# Altium PCB PCB1.PcbDoc (part 1 of 2)
Units mil, origin at the board's own origin, x right, y up, seen from the top; angles counter-clockwise.
Board outline 6184.85 x 2780 mil, 2 copper layers (Top Layer, Bottom Layer); 128 components, 145 nets, 529 pads, 99 vias.
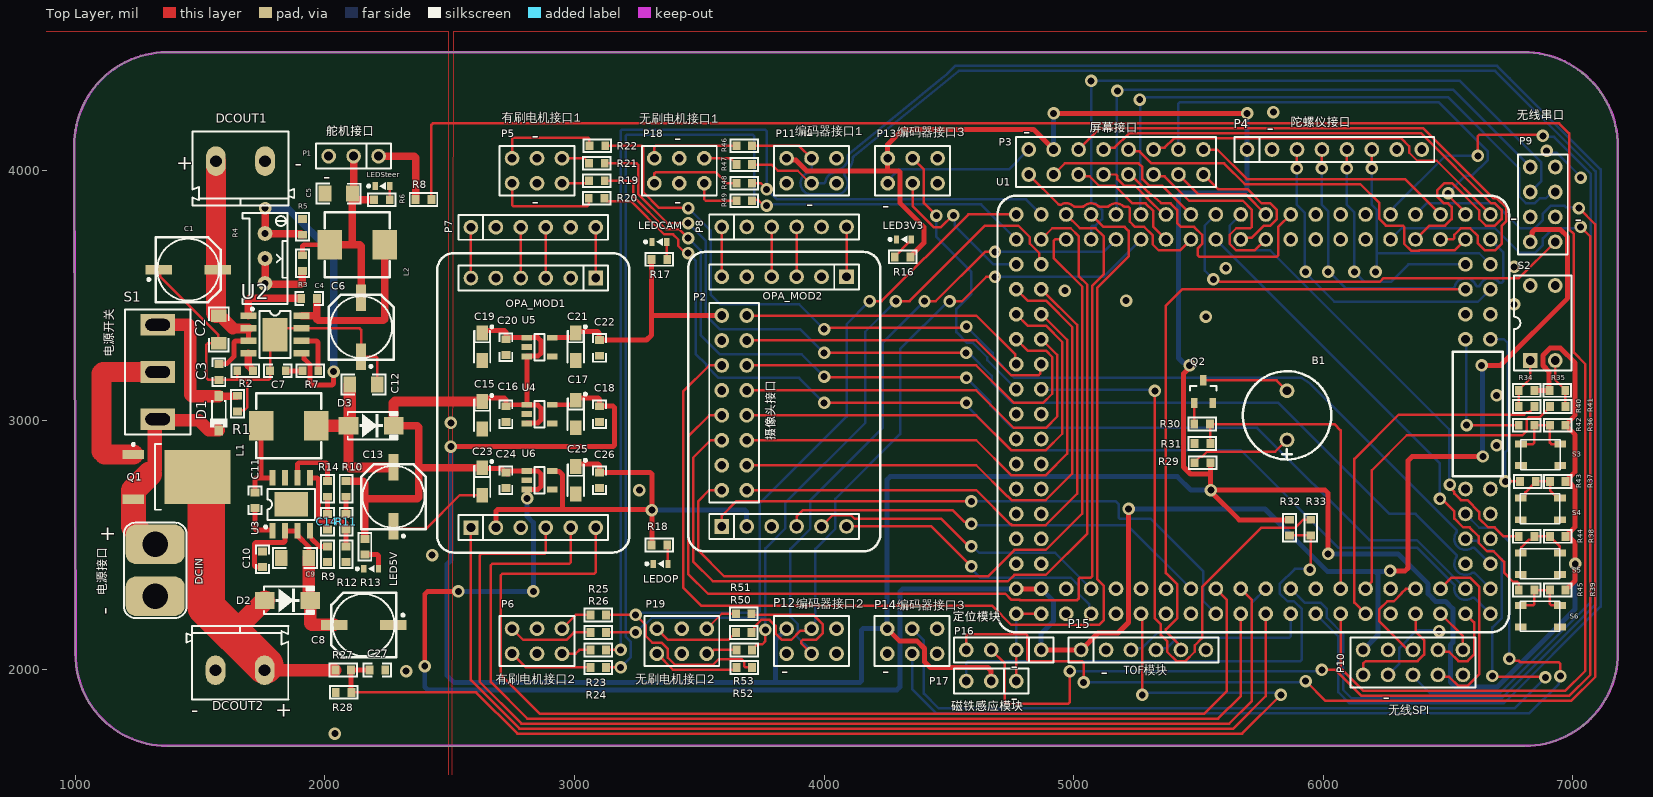
[diagram p0: Top Layer view]
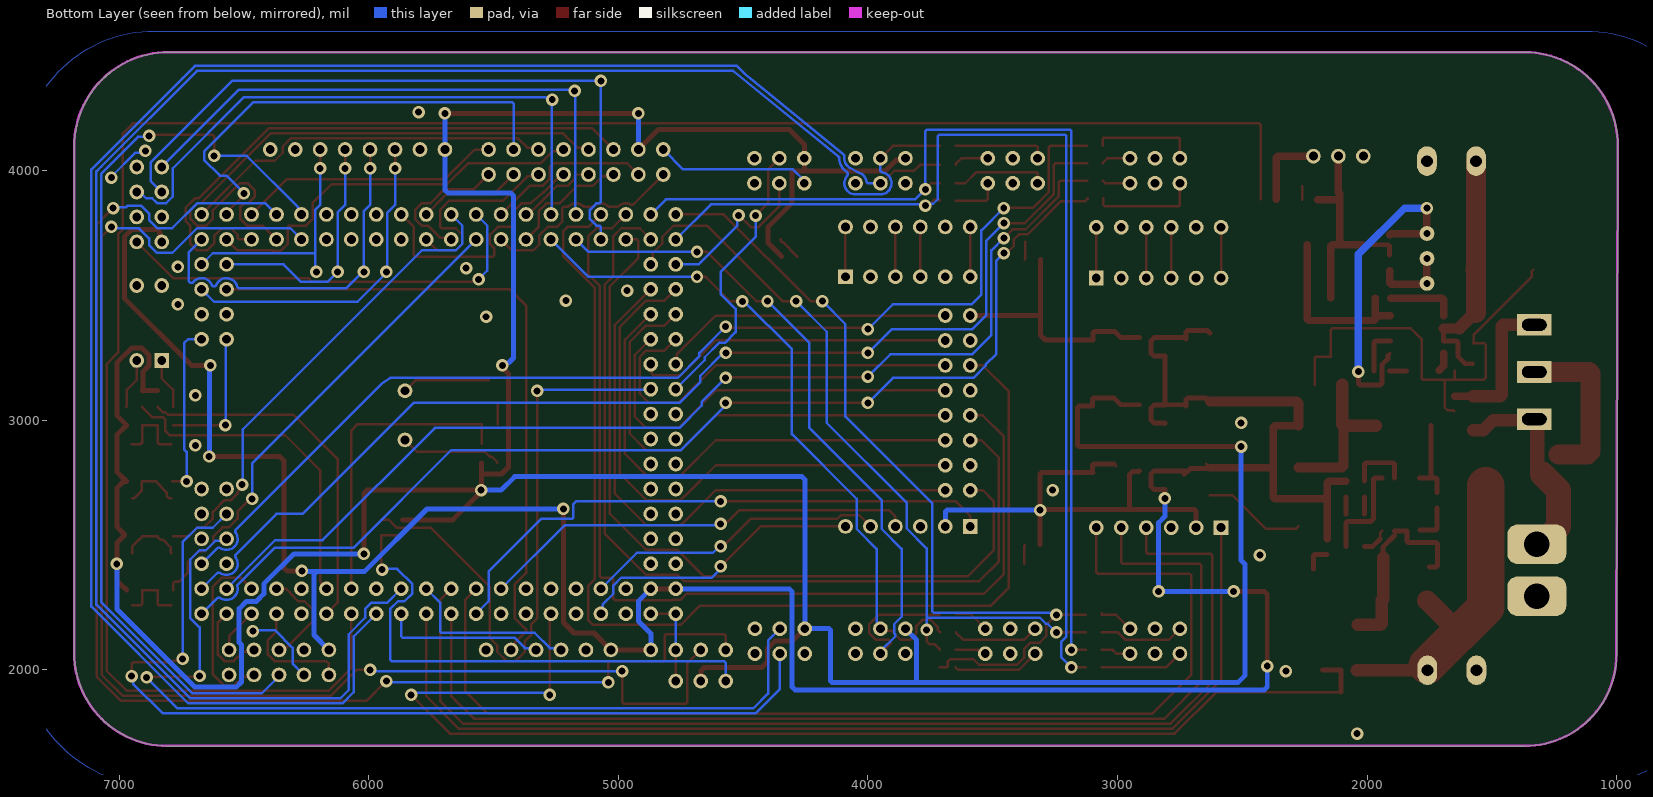
[diagram p1: Bottom Layer view, seen from below]

## Layer stack, top to bottom
Top Solder: solder mask 0.4, Solder Resist, Dk 3.5
Top Layer: signal copper 1.4
Dielectric 1: dielectric 12.6, FR-4, Dk 4.8
Bottom Layer: signal copper 1.4
Bottom Solder: solder mask 0.4, Solder Resist, Dk 3.5

## Board outline
1000,2062.29 995.15,4100.04 cw(c1367.5,4102.54) 1364.99,4474.88 6802.71,4475 cw(c6802.71,4097.71) 7180,4097.71 7180,2067.32 cw(c6807.68,2067.32) 6807.68,1695 6810,1695 1370,1695 1367.29,1695 cw(c1367.29,2062.29)

## Design rules (kind name [scope] priority, off if disabled: settings)
Clearance [All] p1: gap=10 ignorepadtopadclearanceinfootprint=FALSE except(0: Arc-Hole Track-Hole SMDPad-Hole THPad-Hole Via-Hole Fill-Hole Poly-Hole Region-Hole Text-Hole)
PolygonConnect [All] p1: connectstyle=Relief reliefconductorwidth=10 reliefentries=4 polygonreliefangle="90 Angle" airgapwidth=10
RoomDefinition Sheet1 [InComponentClass('Sheet1')] p1: confinementstyle=ConfineIn formatcopy=TRUE lockcomponents=FALSE outline 0,0 2000,0 2000,1000 0,1000
RoutingVias [All] p1: holewidth=28 width=50 viastyle="Through Hole" minholewidth=28 minwidth=50 maxholewidth=28 maxwidth=50
SolderMaskExpansion [All] p1: expansion=4 istentingtop=FALSE
Width [InNetClass('New Class')] p1: maxlimit=20 minlimit=20 preferedwidth=20 minimp=50.000000 maximp=50.000000 favimp=50.000000
30 further rules are at their usual default settings.

## Classes and differential pairs
polygon class PolygonClass_1: GND_L01_P000

## Components (designator, comment, footprint, x,y, rotation, side; value= is the part's Value field where it differs from the comment)
B1 "BEEP" "BEEP 9x5.5mm" 5855,3020 r90 top
C1 "100uF 35V 铝电解" "CAP-E-S 6.3" 1451.89,3603.5 r180 top value=100uF
C2 "4.7uF 35V X5R" CAPC3216[1206]S 1575,3363.62 r90 top value=4.7uF
C3 "100nF 50V X7R" CAPC1608[0603]S-N 1575,3193.5 r90 top value=100nF
C4 "100nF 50V X7R" CAPC1608[0603]S-N 1936.5,3488.5 r0 top value=100nF
C5 "47uF 25V X5R" CAPC3216[1206]S 2054.88,3908.5 r180 top value=47uF
C6 "220uF 25V 铝电解" "CAP-E-S 6.3" 2145,3373.5 r270 top value=220uF
C7 "4.7nF 50V X7R" CAPC1608[0603]S-N 1811.5,3198.5 r0 top value=4.7nF
C8 "100uF 35V 铝电解" "CAP-E-S 6.3" 2155,2180 r0 top value=100uF
C9 "4.7uF 35V X5R" CAPC3216[1206]S 1880.12,2448.5 r0 top value=4.7uF
C10 "100nF 50V X7R" CAPC1608[0603]S-N 1750,2443.5 r90 top value=100nF
C11 "100nF 50V X7R" CAPC1608[0603]S-N 1720,2680 r90 top value=100nF
C12 "47uF 25V X5R" CAPC3216[1206]S 2155,3143.5 r180 top value=47uF
C13 "220uF 25V 铝电解" "CAP-E-S 6.3" 2275,2693.5 r270 top value=220uF
C14 "4.7nF 50V X7R" CAPC1608[0603]S-N 2010,2593.5 r90 top value=4.7nF
C15 "10uF 16V 钽电容" "CAP-T-S 3216" 2630,3020 r270 top value=10uF
C16 "100nF 50V X7R" CAPC1608[0603]S-N 2725,3025 r90 top value=100nF
C17 "10uF 16V 钽电容" "CAP-T-S 3216" 3005,3025 r270 top value=10uF
C18 "100nF 50V X7R" CAPC1608[0603]S-N 3100,3025 r90 top value=100nF
C19 "10uF 16V 钽电容" "CAP-T-S 3216" 2630,3294.88 r270 top value=10uF
C20 "100nF 50V X7R" CAPC1608[0603]S-N 2725,3293.5 r90 top value=100nF
C21 "10uF 16V 钽电容" "CAP-T-S 3216" 3005,3295 r270 top value=10uF
C22 "100nF 50V X7R" CAPC1608[0603]S-N 3100,3290 r90 top value=100nF
C23 "10uF 16V 钽电容" "CAP-T-S 3216" 2630,2755 r270 top value=10uF
C24 "100nF 50V X7R" CAPC1608[0603]S-N 2725,2760 r90 top value=100nF
C25 "10uF 16V 钽电容" "CAP-T-S 3216" 3005,2760 r270 top value=10uF
C26 "100nF 50V X7R" CAPC1608[0603]S-N 3100,2760 r90 top value=100nF
C27 "100nF 50V X7R" CAPC1608[0603]S-N 2210,2000 r0 top value=100nF
D1 "BZT52C16" SOD-123-L 1575,3028.5 r270 top
D2 "SS54" SMA-L[DO-214AC] 1850,2278.5 r0 top
D3 "SS54" SMA-L[DO-214AC] 2185,2978.5 r0 top
DCIN "T型插头" "Wired T-Header ThroughHole" 1320,2399.17 r0 top
DCOUT1 "KF/WJ/DG 30x connecter" "KF/WJ/DG 301-2p-5.0mm" 1661.57,4038.5 r180 top
DCOUT2 "KF/WJ/DG 30x connecter" "KF/WJ/DG 301-2p-5.0mm" 1660,1998.5 r0 top
L1 "4.7uH 5A" "0630 TPC 7*7*3" 1855,2978.5 r0 top value=4.7uH
L2 "4.7uH 5A" "0630 TPC 7*7*3" 2130,3703.5 r180 top value=4.7uH
LED3V3 "翠绿贴片LED" LEDC1608(0603)-L 4320,3725 r0 top
LED5V "翠绿贴片LED" LEDC1608(0603)-L 2185,2405 r0 top
LEDCAM "翠绿贴片LED" LEDC1608(0603)-L 3340,3715 r0 top
LEDOP "翠绿贴片LED" LEDC1608(0603)-L 3345,2425 r0 top
LEDSteer "翠绿贴片LED" LEDC1608(0603)-L 2230.47,3938.5 r0 top
OPA_MOD1 "OPA_MOD" SEEKFREE_4CHANEL_OPAMOD 2835,3070 r0 top
OPA_MOD2 "OPA_MOD" SEEKFREE_4CHANEL_OPAMOD 3840,3075 r0 top
P1 "Header-D-M 1x3P" HDR1X3-M 2215,4058.5 r180 top
P2 "Header-D-F 2x8P" HDR2X8-F 3690,2720 r90 top
P3 "Header-D-F 2x8P" HDR2X8-F 4820,3985 r0 top
P4 "Header-D-M 1x8P" HDR1X8-M 5695,4085 r0 top
P5 "Header-D-M 2x3P" HDR2X3-M 2950,4050 r180 top
P6 "Header-D-M 2x3P" HDR2X3-M 2950,2165 r180 top
P7 "Header-D-M 1x6P" HDR1X6-M 2585,3773.5 r0 top
P8 "Header-D-M 1x6P" HDR1X6-M 3590,3775 r0 top
P9 "Header-D-F 2x4P" HDR2X4-F 6830,4015 r270 top
P10 "Header-D-F 2x5P" HDR2X5-F 6560,2080 r180 top
P11 "Header-D-M 2x3P" HDR2X3-M 4050,4050 r180 top
P12 "Header-D-M 2x3P" HDR2X3-M 4050,2165 r180 top
P13 "Header-D-M 2x3P" HDR2X3-M 4455,4050 r180 top
P14 "Header-D-M 2x3P" HDR2X3-M 4453.03,2165 r180 top
P15 "Header-D-M 1x6P" HDR1X6-M 5030,2080 r0 top
P16 "Header-D-M 1x4P" HDR1X4-M 4870,2080 r180 top
P17 "Header-D-M 1x3P" HDR1X3-M 4770,1955 r180 top
P18 "Header-D-M 2x3P" HDR2X3-M 3320,3950 r0 top
P19 "Header-D-M 2x3P" HDR2X3-M 3330,2065 r0 top
Q1 "HY19P03" TO-252AA 1361.06,2773.5 r0 top
Q2 "S8050" SOT-23 5520,3115 r90 top
R1 "10K ±1%" RESC1608[0603]S-N 1650,3067.01 r90 top value=10K
R2 "200K ±1%" RESC1608[0603]S-N 1680,3198.5 r0 top value=200K
R3 "27K ±1%" RESC1608[0603]S-N 1910,3630 r90 top value=27K
R4 "50K" RESPOT3296W 1760,3648.5 r270 top
R5 "8.2K ±1%" RESC1608[0603]S-N 1910,3775 r90 top value=8.2K
R6 "10K ±1%" RESC1608[0603]S-N 2228.5,3883.5 r180 top value=10K
R7 "20K ±1%" RESC1608[0603]S-N 1941.5,3198.5 r0 top value=20K
R8 "100R ±1%" RESC1608[0603]S-N 2395,3885 r180 top value=100R
R9 "200K ±1%" RESC1608[0603]S-N 2010,2463.5 r90 top value=200K
R10 "51K ±1%" RESC1608[0603]S-N 2085,2725 r90 top value=51K
R11 "1.5K ±1%" RESC1608[0603]S-N 2085,2593.5 r90 top value=1.5K
R12 "10K ±1%" RESC1608[0603]S-N 2085,2463.5 r90 top value=10K
R13 "4.7K ±1%" RESC1608[0603]S-N 2160,2493.5 r90 top value=4.7K
R14 "20K ±1%" RESC1608[0603]S-N 2010,2725 r90 top value=20K
R16 "2.7K ±1%" RESC1608[0603]S-N 4315,3655 r180 top value=2.7K
R17 "2.7K ±1%" RESC1608[0603]S-N 3340,3645 r0 top value=2.7K
R18 "2.7K ±1%" RESC1608[0603]S-N 3340,2500 r0 top value=2.7K
R19 "100R ±1%" RESC1608[0603]S-N 3090,3960 r180 top value=100R
R20 "100R ±1%" RESC1608[0603]S-N 3088.5,3890 r0 top value=100R
R21 "100R ±1%" RESC1608[0603]S-N 3090,4030 r180 top value=100R
R22 "100R ±1%" RESC1608[0603]S-N 3091.5,4100 r0 top value=100R
R23 "100R ±1%" RESC1608[0603]S-N 3095,2080 r180 top value=100R
R24 "100R ±1%" RESC1608[0603]S-N 3095,2010 r0 top value=100R
R25 "100R ±1%" RESC1608[0603]S-N 3095,2220 r180 top value=100R
R26 "100R ±1%" RESC1608[0603]S-N 3095,2150 r0 top value=100R
R27 "200K ±1%" RESC1608[0603]S-N 2073.5,2000 r0 top value=200K
R28 "20K ±1%" RESC1608[0603]S-N 2075,1910 r180 top value=20K
R29 "10R ±1%" RESC1608[0603]S-N 5516.5,2830 r180 top value=10R
R30 "4.7K ±1%" RESC1608[0603]S-N 5515,2985 r180 top value=4.7K
R31 "1K ±1%" RESC1608[0603]S-N 5516.34,2906.81 r180 top value=1K
R32 "10K ±1%" RESC1608[0603]S-N 5865,2570 r90 top value=10K
R33 "100R ±1%" RESC1608[0603]S-N 5950,2570 r270 top value=100R
R34 "4.7K ±1%" RESC1608[0603]S-N 6815,3120 r180 top value=4.7K
R35 "4.7K ±1%" RESC1608[0603]S-N 6938.5,3120 r0 top value=4.7K
R36 "4.7K ±1%" RESC1608[0603]S-N 6940,2980 r180 top value=4.7K
R37 "4.7K ±1%" RESC1608[0603]S-N 6940,2755 r180 top value=4.7K
R38 "4.7K ±1%" RESC1608[0603]S-N 6940,2535 r180 top value=4.7K
R39 "4.7K ±1%" RESC1608[0603]S-N 6940,2320 r180 top value=4.7K
R40 "470R ±1%" RESC1608[0603]S-N 6815,3055 r0 top value=470R
R41 "470R ±1%" RESC1608[0603]S-N 6940,3055 r180 top value=470R
R42 "470R ±1%" RESC1608[0603]S-N 6815,2980 r180 top value=470R
R43 "470R ±1%" RESC1608[0603]S-N 6820,2755 r180 top value=470R
R44 "470R ±1%" RESC1608[0603]S-N 6815,2535 r180 top value=470R
R45 "470R ±1%" RESC1608[0603]S-N 6815,2320 r180 top value=470R
R46 "100R ±1%" RESC1608[0603]S-N 3680,4100 r180 top value=100R
R47 "100R ±1%" RESC1608[0603]S-N 3680,4025 r0 top value=100R
R48 "100R ±1%" RESC1608[0603]S-N 3680,3950 r180 top value=100R
R49 "100R ±1%" RESC1608[0603]S-N 3680,3880 r0 top value=100R
R50 "100R ±1%" RESC1608[0603]S-N 3678.5,2150 r180 top value=100R
R51 "100R ±1%" RESC1608[0603]S-N 3678.5,2225 r0 top value=100R
R52 "100R ±1%" RESC1608[0603]S-N 3680,2010 r180 top value=100R
R53 "100R ±1%" RESC1608[0603]S-N 3680,2080 r0 top value=100R
S1 "SW-SPDT" SS12D10 1330,3193.5 r90 top
S2 "SW DIP-2" "Code SW-2-DIP-2.54" 6880,3390 r0 top
S3 "Button" PTS810-3*4-CurvePin 6871.26,2861.69 r0 top
S4 "Button" PTS810-3*4-CurvePin 6870,2645 r0 top
S5 "Button" PTS810-3*4-CurvePin 6870,2425 r0 top
S6 "Button" PTS810-3*4-CurvePin 6870,2215 r0 top
U1 "TC264_CoreBoard" TC264_CoreBoard 4770,2225 r90 top
U2 "SP1N28STER" SOP-8E 1800,3343.5 r0 top
U3 "SP1N28STER" SOP-8E 1865,2663.5 r90 top
U4 "RT9013-33" SOT-23-5 2860,3025 r0 top
U5 "RT9013-33" SOT-23-5 2860,3293.5 r0 top
U6 "RT9013-33" SOT-23-5 2860,2760 r0 top

## Footprints (in the part's own frame and the unit in brackets; to place one, negate y for a bottom-side part, rotate by r counter-clockwise, add the part's x,y. Pads: shape width x height; smd on the part's side, far side on the other; paste and mask are expansions set on the pad)
"0630 TPC 7*7*3" [mm] "12mmx12mmx6.5mm 一体成型功率电感"
  rect 2.5x3 smd: 1(-2.8,0) 2(2.8,0)
  silkscreen extent -3.3,-3.3 3.3,3.3, body extent -3.3,-3.3 3.3,3.3, height 3
"BEEP 9x5.5mm" [mm] "蜂鸣器 9x5.5mm"
  round 1.5 hole 0.9: 1(-2.5,0) 2(2.5,0)
  silkscreen extent -4.5,-4.5 4.5,4.5, body extent -4.8,-4.8 4.8,4.8, height 5.05
"CAP-E-S 6.3" [mm] "贴片 铝电解电容 6.3mm"
  rect 2.7x1 smd: 1(-3,0) 2(3,0)
  silkscreen extent -3.3,-3.3 4.12,3.3, body extent -3.5,-3.3 3.5,3.3, height 5.2
"CAP-T-S 3216" [mm] "贴片 钽电容 A型 3216"
  rect 1.5x1.2 smd: 1(-1.4,0) 2(1.4,0)
  silkscreen extent -2.15,-0.9 1.6,1.1, body extent -1.6,-0.8 1.6,0.8, height 1.6
CAPC1608[0603]S-N [mm] "0603贴片电容 有丝印 2脚 1.60x0.80mm IPC中密度"
  rect 0.8x0.9 smd: 1(-0.8,0) 2(0.8,0)
  silkscreen extent -1.5,-0.75 1.5,0.75, body extent -0.8,-0.41 0.8,0.41, height 0.79
CAPC3216[1206]S [mm] "1206贴片电容 有丝印 2脚 3.20x1.60mm IPC中密度"
  rect 1.3x1.6 smd: 1(-1.4,0) 2(1.4,0)
  silkscreen extent -2.35,-1.11 2.35,1.11, body extent -1.6,-0.81 1.6,0.81, height 1.21
"Code SW-2-DIP-2.54" [mm] "2位直插拨码开关 间距2.54"
  rect 1.5x1.5 hole 0.9: 1(-1.27,-3.81)
  round 1.5 hole 0.9: 2(1.27,-3.81) 3(1.27,3.81) 4(-1.27,3.81)
  silkscreen extent -2.93,-4.85 2.93,4.85, body extent -3.04,-4.95 3.04,4.95, height 7.03
HDR1X3-M [mm] "1x3pin, 2.54mm间距, 直插, 直排针"
  round 1.5 hole 0.9: 1(0,0) 2(2.54,0) 3(5.08,0)
  silkscreen extent -1.27,-1.27 6.35,1.27, body extent -1.27,-1.27 6.35,1.27, height 8.54
HDR1X4-M [mm] "1x4pin, 2.54mm间距, 直插, 直排针"
  round 1.5 hole 0.9: 1(0,0) 2(2.54,0) 3(5.08,0) 4(7.62,0)
  silkscreen extent -1.27,-1.27 8.89,1.27, body extent -1.27,-1.27 8.89,1.27, height 8.54
HDR1X6-M [mm] "1x6pin, 直插, 直排针, 2.54mm间距"
  round 1.5 hole 0.9: 1(0,0) 2(2.54,0) 3(5.08,0) 4(7.62,0) 5(10.16,0) 6(12.7,0)
  silkscreen extent -1.27,-1.27 13.97,1.27, body extent -1.27,-1.27 13.97,1.27, height 8.54
HDR1X8-M [mm] "1x7pin, 2.54mm间距, 直插, 直排针"
  round 1.5 hole 0.9: 1(0,0) 2(2.54,0) 3(5.08,0) 4(7.62,0) 5(10.16,0) 6(12.7,0) 7(15.24,0) 8(17.78,0)
  silkscreen extent -1.27,-1.27 19.05,1.27, body extent -1.27,-1.27 19.05,1.27, height 8.54
HDR2X3-M [mm] "2x3pin, 2.54mm间距, 直插, 直排针"
  round 1.5 hole 0.9: 1(0,0) 2(0,2.54) 3(2.54,0) 4(2.54,2.54) 5(5.08,0) 6(5.08,2.54)
  silkscreen extent -1.27,-1.27 6.35,3.81, body extent -1.27,-1.27 6.35,3.81, height 8.54
HDR2X4-F [mm] "2x4pin, 2.54mm间距, 直插, 直排座"
  round 1.5 hole 0.9: 1(0,0) 2(0,2.54) 3(2.54,0) 4(2.54,2.54) 5(5.08,0) 6(5.08,2.54) 7(7.62,0) 8(7.62,2.54)
  silkscreen extent -1.27,-1.27 8.89,3.81, body extent -1.5,-1.26 9.16,3.82, height 8.5
HDR2X5-F [mm] "2x5pin, 2.54mm间距, 直插, 直排座"
  round 1.5 hole 0.9: 1(0,0) 2(0,2.54) 3(2.54,0) 4(2.54,2.54) 5(5.08,0) 6(5.08,2.54) 7(7.62,0) 8(7.62,2.54) 9(10.16,0) 10(10.16,2.54)
  silkscreen extent -1.27,-1.27 11.43,3.81, body extent -1.52,-1.26 11.68,3.82, height 8.5
HDR2X8-F [mm] "2x8pin, 2.54mm间距, 直插, 直排座"
  round 1.5 hole 0.9: 1(0,0) 2(0,2.54) 3(2.54,0) 4(2.54,2.54) 5(5.08,0) 6(5.08,2.54) 7(7.62,0) 8(7.62,2.54) 9(10.16,0) 10(10.16,2.54) 11(12.7,0) 12(12.7,2.54) 13(15.24,0) 14(15.24,2.54) 15(17.78,0) 16(17.78,2.54)
  silkscreen extent -1.27,-1.27 19.05,3.81, body extent -1.52,-1.27 19.3,3.81, height 8.5
"KF/WJ/DG 301-2p-5.0mm" [mm] "2P 5mm间距 接线端子"
  oval 2x3 hole 1.2: 1(2.5,0) 2(-2.5,0)
  silkscreen extent -5.47,-3 4.9,4.5, body extent -5.6,-3 5,4.6, height 10.1
LEDC1608(0603)-L [mm] "LED,Chip;1.60mm L X 0.80mm W X 0.80mm H"
  rect 0.55x0.8 smd: A(0.75,0) C(-0.75,0)
  silkscreen extent -1.52,-0.38 0.33,0.38, body extent -0.8,-0.4 0.8,0.4, height 0.64
PTS810-3*4-CurvePin [mm] "3*4 白色 汽车遥控器贴片按键 包脚"
  rect 1.2x0.7 smd: 1(-2,-1.1) 1(2,-1.1) 2(-2,1.1) 2(2,1.1)
  silkscreen extent -2.02,-1.52 2,1.52, body extent -2.3,-1.6 2.3,1.6, height 2.5
RESC1608[0603]S-N [mm] "0603贴片电阻 有丝印 2脚 1.60x0.80mm IPC中密度"
  rect 0.8x0.9 smd: 1(-0.8,0) 2(0.8,0)
  silkscreen extent -1.5,-0.75 1.5,0.75, body extent -0.8,-0.4 0.8,0.4, height 0.45
RESPOT3296W [mm] "3296W 精密可调电阻 顶调"
  round 1.5 hole 0.7: 1(-2.54,0) 2(2.54,0) ADJ(0,0)
  silkscreen extent -4.65,-2.3 4.65,2.3, body extent -4.75,-2.4 4.75,2.4, height 3.1
SEEKFREE_4CHANEL_OPAMOD [mm]
  rect 1.5x1.5 hole 0.9: 1(6.35,12.7) 7(-6.35,-12.7)
  round 1.5 hole 0.9: 2(3.81,12.7) 3(1.27,12.7) 4(-1.27,12.7) 5(-3.81,12.7) 6(-6.35,12.7) 8(-3.81,-12.7) 9(-1.27,-12.7) 10(1.27,-12.7) 11(3.81,-12.7) 12(6.35,-12.7)
  Top Overlay keep-out lines w0.254: -9.779,-13.524 ccw(c-8.063,-13.524) -8.063,-15.24 8.063,-15.24 ccw(c8.063,-13.524) 9.779,-13.524 9.779,13.524 ccw(c8.063,13.524) 8.063,15.24 -8.063,15.24 ccw(c-8.063,13.524) -9.779,13.524 -9.779,-13.524
  silkscreen extent -9.78,-15.24 9.78,15.24, body extent -7.75,-13.98 7.75,13.98, height 8.54
SMA-L[DO-214AC] [mm] "SMA 二极管 贴片 IPC高密度"
  rect 2x1.75 smd: A(-2.3,0) K(2.3,0)
  silkscreen extent -2.37,-1.4 2.7,1.4, body extent -2.9,-1.46 2.91,1.46, height 2.3
SOD-123-L [mm] "SOD Diode;2.70mm W X 1.60mm L X 1.35mm H body"
  rect 1x0.85 smd: A(-1.75,0) K(1.75,0)
  silkscreen extent -1.32,-0.9 1.47,0.9, body extent -1.85,-0.8 1.85,0.8, height 1.2
SOP-8E [mm] "SOIC,1.27mm pitch;8 pin,3.90mm W X 4.88mm L X 1.73mm H body"
  rect 2.5x3.4 smd: 0(0,0)
  rect 1.6x0.65 smd: 1(-2.7,1.905) 2(-2.7,0.635) 3(-2.7,-0.635) 4(-2.7,-1.905) 5(2.7,-1.905) 6(2.7,-0.635) 7(2.7,0.635) 8(2.7,1.905)
  silkscreen extent -2.42,-2.4 1.58,2.72, body extent -3.11,-2.45 3.11,2.45, height 1.75
SOT-23 [mm] "SOT23, 3-Leads, Body 2.90x2.40mm, Pitch 0.95mm, IPC Medium Density"
  rect 1.05x0.65 smd: 1(-1.15,0.95) 2(-1.15,-0.95) 3(1.15,0)
  silkscreen extent 0.13,-1.35 0.58,1.35, body extent -1.4,-1.45 1.4,1.45, height 1.2
SOT-23-5 [mm] "SOT23, 5-Leads, Body 2.92x2.79mm, Pitch 0.95mm, IPC Medium Density"
  rect 1.1x0.6 smd: 1(-1.3,0.95) 2(-1.3,0) 3(-1.3,-0.95) 4(1.3,-0.95) 5(1.3,0.95)
  silkscreen extent -0.53,-1.35 0.53,1.35, body extent -1.42,-1.46 1.42,1.46, height 1.08
SS12D10 [mm] "拨动开关，直脚，脚距4.8"
  rect 2.2x3.5 hole 1.2 slot 2.5 at 90 deg mask+0.07: 1(-4.8,0) 2(0,0) 3(4.8,0)
  silkscreen extent -6.35,-3.35 6.35,3.35, body extent -6.4,-3.3 6.35,3.8, height 12.5
TC264_CoreBoard [mm] "逐飞科技TC264核心板"
  round 1.5 hole 0.9: 1(0,0) 2(2.54,0) 3(0,-2.54) 4(2.54,-2.54) 5(0,-5.08) 6(2.54,-5.08) 7(0,-7.62) 8(2.54,-7.62) 9(0,-10.16) 10(2.54,-10.16) 11(0,-12.7) 12(2.54,-12.7) 13(0,-15.24) 14(2.54,-15.24) 15(0,-17.78) 16(2.54,-17.78) 17(0,-20.32) 18(2.54,-20.32) 19(0,-22.86) 20(2.54,-22.86) 21(0,-25.4) 22(2.54,-25.4) 23(0,-27.94) 24(2.54,-27.94) 25(0,-30.48) 26(2.54,-30.48) 27(0,-33.02) 28(2.54,-33.02) 29(0,-35.56) 30(2.54,-35.56) 31(0,-38.1) 32(2.54,-38.1) 33(0,-40.64) 34(2.54,-40.64) 35(0,-43.18) 36(2.54,-43.18) 37(0,-45.72) 38(2.54,-45.72) 39(0,-48.26) 40(2.54,-48.26) 41(5.08,-48.26) 42(5.08,-45.72) 43(7.62,-48.26) 44(7.62,-45.72) 45(10.16,-48.26) 46(10.16,-45.72) 47(12.7,-48.26) 48(12.7,-45.72) 49(27.94,-45.72) 50(27.94,-48.26) 51(30.48,-45.72) 52(30.48,-48.26) 53(33.02,-45.72) 54(33.02,-48.26) 55(35.56,-45.72) 56(35.56,-48.26) 57(38.1,-48.26) 58(40.64,-48.26) 59(38.1,-45.72) 60(40.64,-45.72) 61(38.1,-43.18) 62(40.64,-43.18) 63(38.1,-40.64) 64(40.64,-40.64) 65(38.1,-38.1) 66(40.64,-38.1) 67(38.1,-35.56) 68(40.64,-35.56) 69(38.1,-33.02) 70(40.64,-33.02) 71(38.1,-30.48) 72(40.64,-30.48) 73(38.1,-27.94) 74(40.64,-27.94) 75(38.1,-25.4) 76(40.64,-25.4) 77(38.1,-22.86) 78(40.64,-22.86) 79(38.1,-20.32) 80(40.64,-20.32) 81(38.1,-17.78) 82(40.64,-17.78) 83(38.1,-15.24) 84(40.64,-15.24) 85(38.1,-12.7) 86(40.64,-12.7) 87(38.1,-10.16) 88(40.64,-10.16) 89(38.1,-7.62) 90(40.64,-7.62) 91(38.1,-5.08) 92(40.64,-5.08) 93(38.1,-2.54) 94(40.64,-2.54) 95(38.1,0) 96(40.64,0) 97(35.56,-2.54) 98(35.56,0) 99(33.02,-2.54) 100(33.02,0) 101(30.48,-2.54) 102(30.48,0) 103(27.94,-2.54) 104(27.94,0) 105(25.4,-2.54) 106(25.4,0) 107(22.86,-2.54) 108(22.86,0) 109(20.32,-2.54) 110(20.32,0) 111(17.78,-2.54) 112(17.78,0) 113(15.24,-2.54) 114(15.24,0) 115(12.7,-2.54) 116(12.7,0) 117(10.16,-2.54) 118(10.16,0) 119(7.62,-2.54) 120(7.62,0) 121(5.08,-2.54) 122(5.08,0)
  silkscreen extent -1.91,-50.16 42.55,1.91
TO-252AA [mm] "D-PAK, 4-Leads, Body 6.1x6.5mm, Pitch 2.28mm, Lead Span 9.8mm, IPC Low Density"
  rect 6.7x5.5 smd: 1(3.275,0)
  rect 2.2x0.95 smd: 2(-3.275,2.28) 3(-3.275,-2.28)
  silkscreen extent -3.4,-3.35 -0.47,3.43, body extent -3.77,-3.27 6.16,3.27, height 2.39
"Wired T-Header ThroughHole" [mm] "带线T头直插焊盘"
  rrect50% 6x4 hole 2.6: 1(0,2.65) 2(0,-2.65)
  silkscreen extent -3.2,-4.85 3.2,4.85

## Part data
B1: "蜂鸣器"
C1 C8: library part "E-S 100uF 35V 6.3x7.7", "贴片电解电容 100uF 35V 6.3x7.7", Voltage=35V, Revision=V1.0, Type=铝电解
C2 C9: library part "4.7uF 1206 35V X5R", "贴片瓷片电容; MLCC; 1206(3216);", Voltage=35V, Revision=V1.0, Type=X5R
C3 C4 C10 C11 C16 C18 C20 C22 C24 C26 C27: library part "100nF 0603 50V X7R", "贴片瓷片电容; MLCC; 0603(1608);", Voltage=50V, Revision=V1.0, Type=X7R
C5 C12: library part "47uF 1206 25V X5R", "贴片瓷片电容; MLCC; 1206(3216);", Voltage=25V, Revision=V1.0, Type=X5R
C6 C13: library part "E-S 220uF 25V 6.3x7.7", "贴片电解电容 220uF 25V 6.3x7.7", Voltage=25V, Revision=V1.0, Type=铝电解
C7 C14: library part "4.7nF 0603 50V X7R", "贴片瓷片电容; MLCC; 0603(1608);", Voltage=50V, Revision=V1.0, Type=X7R
C15 C17 C19 C21 C23 C25: library part "T-S 10uF 3216 16V", "贴片钽电容 10uF 3216 16V", Voltage=16V, Revision="July-2002: Re-released for DXP Platform.", Type=TanCap
D1: library part "Diode Zen", "稳压二极管 齐纳二极管  Zener Diode", Price(RMB)=0.000, Published=8-Jun-2000, Publisher="Altium Limited", Revision="July-2002: Re-released for DXP Platform."
D2 D3: "SS54 肖特基二极管", Revision=V1.0
DCIN: library part T_Header
DCOUT1 DCOUT2: library part "KF/WJ/DG 30x", "接线端子 2Pin"
L1 L2: library part Ind-Power, "功率电感", DCR=.5m, Imax=5A, Price(RMB)=0.000, Published=8-Jun-2000, Publisher="Altium Limited", Revision="July-2002: Re-released for DXP Platform."
LED3V3 LED5V LEDCAM LEDOP LEDSteer: library part "LED Chip Green", Price(RMB)=0.00, Published=8-Jun-2000, Publisher="Altium Limited", Revision="July-2002: Re-released for DXP Platform."
OPA_MOD1 OPA_MOD2: library part OPA_4CHANNEL_SEEKFREE, "逐飞科技 运放模块"
P1 P17: "1x3pin, 直插, 排针", Revision=V1.0
P2 P3: "2x8pin, 直插, 双排座", Revision=V1.0
P4: "1x8pin, 直插, 排针", Revision=V1.0
P5 P6 P11 P12 P13 P14 P18 P19: "2x3pin, 直插, 双排针", Revision=V1.0
P7 P8 P15: "1x6pin, 直插, 排针", Revision=V1.0
P9: "2x4pin, 直插, 双排座", Revision=V1.0
P10: "2x5pin, 直插, 双排座", Revision=V1.0
P16: "1x4pin, 直插, 排针", Revision=V1.0
Q1: "HY19P03 P-Channel MOSFET"
Q2: library part "NPN S8050", "NPN 三极管", PartNumber=S8050, Price(RMB)=0.000, Published=8-Jun-2000, Publisher="Altium Limited", Revision="July-2002: Re-released for DXP Platform."
R1 R6 R12 R32: library part Res-Chip, "贴片电阻", Power=1/8W, Tolerance=±1%, Revision=V1.0
R2 R9 R27: library part Res-Chip_1, "贴片电阻", Power=1/8W, Tolerance=±1%, Revision=V1.0
R3: library part Res-Chip_7, "贴片电阻", Power=1/8W, Tolerance=±1%, Revision=V1.0
R4: library part Res-Adj-3p, "可调电阻", Revision=V1.0
R5: library part Res-Chip_8, "贴片电阻", Power=1/8W, Tolerance=±1%, Revision=V1.0
R7 R14 R28: library part Res-Chip_4, "贴片电阻", Power=1/8W, Tolerance=±1%, Revision=V1.0
R8 R19 R20 R21 R22 R23 R24 R25 R26 R33 R46 R47 R48 R49 R50 R51 R52 R53: library part Res-Chip_9, "贴片电阻", Power=1/8W, Tolerance=±1%, Revision=V1.0
R10: library part Res-Chip_2, "贴片电阻", Power=1/8W, Tolerance=±1%, Revision=V1.0
R11: library part Res-Chip_5, "贴片电阻", Power=1/8W, Tolerance=±1%, Revision=V1.0
R13 R30 R34 R35 R36 R37 R38 R39: library part Res-Chip_3, "贴片电阻", Power=1/8W, Tolerance=±1%, Revision=V1.0
R16 R17 R18: library part Res-Chip_6, "贴片电阻", Power=1/8W, Tolerance=±1%, Revision=V1.0
R29: library part Res-Chip_10, "贴片电阻", Power=1/8W, Tolerance=±1%, Revision=V1.0
R31: library part Res-Chip_11, "贴片电阻", Power=1/8W, Tolerance=±1%, Revision=V1.0
R40 R41 R42 R43 R44 R45: library part Res-Chip_12, "贴片电阻", Power=1/8W, Tolerance=±1%, Revision=V1.0
S1: "单刀双掷开关 3脚船型、钮子、拨动开关 SPDT Subminiature Toggle Switch", Price(RMB)=0.000, Published=24-Mar-1999, Publisher="Altium Limited"
S2: library part "Code SW-2", "2位拨码开关", Price(RMB)=0.000, Published=24-Mar-1999, Publisher="Altium Limited", Revision="July-2002: Re-released for DXP Platform."
S3 S4 S5 S6: library part KEY, "按键", Price(RMB)=0.000, Published=24-Mar-1999, Publisher="Altium Limited"
U1: "逐飞科技TC264核心板"
U4 U5 U6: "3.3V 500mA SOT-23-5 LDO"
U2 U3: Revision=V1.0

## Via types
v1: diameter 50, hole 28, Top Layer to Bottom Layer, 99 vias

## Nets (pads, with @x,y where several pads share a name; then routed paths per layer and width w, separated by ;. In a path a pad name is that pad's centre, name@x,y a point inside that pad or via, vN(x,y) a via of type N, cw(c..) or ccw(c..) an arc to the next point about the centre after c; other vN are vias at no path point)
00.0: P2.1 U1.99 | length 2313.7
  Top Layer w10: P2.1@3690,2720 4610,2720 4747.42,2582.58 4749.44,2582.58 4751.56,2580.47 4888.44,2580.47 5014.53,2706.56 5014.53,3381.96 4871.48,3525 U1.99@4870,3525
00.1: P2.3 U1.100 | length 2280.6
  Top Layer w10: P2.3@3690,2820 4610,2820 4735,2695 4737.03,2695 4751.56,2680.47 4888.44,2680.47 4994.53,2786.56 4994.53,3373.67 4888.67,3479.53 4815.47,3479.53 U1.100@4770,3525
00.2: P2.5 U1.101 | length 1980.7
  Top Layer w10: P2.5@3690,2920 4610,2920 4749.53,2780.47 4888.67,2780.47 4974.53,2866.33 4974.53,3321.96 4871.48,3425 U1.101@4870,3425
00.3: P2.7 U1.102 | length 1947.6
  Top Layer w10: P2.7@3690,3020 4610,3020 4749.53,2880.47 4888.67,2880.47 4954.53,2946.33 4954.53,3313.67 4888.67,3379.53 4815.47,3379.53 U1.102@4770,3425
00.4: P2.9 U1.103 | length 1662.4
  Top Layer w10: P2.9@3690,3120 4610,3120 4760,2970 4888.67,2970 4934.53,3015.86 4934.53,3261.96 4871.48,3325 U1.103@4870,3325
00.5: P2.11 U1.104 | length 1623.4
  Top Layer w10: P2.11@3690,3220 4610,3220 4760.47,3069.53 4877.5,3069.53 4914.53,3106.56 4914.53,3253.67 4888.67,3279.53 4815.47,3279.53 U1.104@4770,3325
00.6: P2.13 U1.105 | length 1276.4
  Top Layer w10: P2.13@3690,3320 4610,3320 4749.53,3180.47 4859.84,3180.47 4865.7,3186.33 4865.7,3220.7 U1.105@4870,3225
00.7: P2.15 U1.106 | length 1181.3
  Top Layer w10: P2.15@3690,3420 4610,3420 4766.33,3263.67 4766.33,3228.67 U1.106@4770,3225
00.8: R33.1 U1.107 | length 2484.9
  Top Layer w10: v1(5325.47,3118.34) 5325.47,2206.56 5350,2182.03 5350,2139.53 5374.53,2115 5374.53,2072.5 5411.56,2035.47 5448.44,2035.47 5485.47,2072.5 5485.47,2098.44 5514.53,2127.5 5514.53,2332.5 5751.28,2569.25 5887.43,2569.25 5903.11,2584.92 5919.68,2601.5 R33.1@5950,2601.5
  Bottom Layer w10: U1.107@4870,3125 4873.33,3121.67 5322.14,3121.67 v1(5325.47,3118.34)
00.9: P13.3 U1.108 | length 1160.2
  Top Layer w10: P13.3@4355,4050 4400,4005 4400,3870 v1(4450,3820)
  Bottom Layer w10: v1(4450,3820) 4450,3735 4590,3595 4590,3506.86 4530,3446.86 4530,3353.43 4573.43,3310 4596.57,3310 4653.76,3252.81 4653.76,3241.24 U1.108@4770,3125
02.0: P2.12 U1.90 | length 4538.5
  Top Layer w10: P2.12@3590,3220 3540,3220 3435,3115 3435,2330 3507.28,2257.72 4672.28,2257.72 4750,2180 5101.72,2180 5120,2198.28 5120,2337.97 5095,2362.97 5095,3531.72 5220,3656.72 5220,3759.27 5204.27,3775 5120,3775 U1.90@5070,3825
02.1: P2.2 U1.91 | length 3188.3
  Top Layer w10: P2.2@3590,2720 3540,2720 3495,2675 3495,2480 3600,2375 4657.03,2375 4762.5,2480.47 4888.44,2480.47 5034.53,2626.56 5034.53,3535.47 4920,3650 4920,3719.14 4925.86,3725 U1.91@4970,3725
02.2: P2.8 U1.92 | length 4036.1
  Top Layer w10: P2.8@3590,3020 3540,3020 3455,2935 3455,2385 3535,2305 4727.03,2305 4751.56,2280.47 4784.53,2280.47 4785,2280 5014.14,2280 5020,2285.86 5020,2363.67 5025.86,2369.53 5069.14,2369.53 5075,2375.39 5075,3540 5120,3585 5120,3737.97 5088.44,3769.53 5025.47,3769.53 U1.92@4970,3825
02.3: P2.6 U1.93 | length 3638.6
  Top Layer w10: P2.6@3590,2920 3545,2920 3475,2850 3475,2435 3555,2355 4737.03,2355 4762.5,2380.47 4888.44,2380.47 5055,2547.03 5055,3543.28 5020,3578.28 5020,3737.97 4988.44,3769.53 4914.53,3769.53 U1.93@4870,3725
02.4: R23.1 R48.1 U1.94 | length 4172.9
  Top Layer w10: R23.1@3126.5,2080 v1(3185,2080) ; R48.1@3711.5,3950 3746.72,3950 3770,3926.72 v1(3770,3925)
  Bottom Layer w10: v1(3185,2080) 3185,4159.14 3190.86,4165 3764.14,4165 3770,4159.14 v1(3770,3925) 3771.57,3925 3811.1,3885.47 4809.53,3885.47 U1.94@4870,3825
02.5: R24.2 R49.2 U1.95 | length 4176.6
  Top Layer w10: R24.2@3126.5,2010 v1(3185,2010) ; R49.2@3711.5,3880 3715.11,3883.61 3736.39,3883.61 3760,3860 v1(3770,3860)
  Bottom Layer w10: v1(3185,2010) 3225,2050 3225,2113.43 3205,2133.43 3205,4139.14 3210.86,4145 3714.14,4145 3720,4139.14 3720,3885.86 3738.2,3867.65 3762.35,3867.65 v1(3770,3860) 3775.47,3865.47 4629.53,3865.47 U1.95@4770,3725
02.6: R25.1 R52.1 U1.96 | length 3407
  Top Layer w10: R25.1@3126.5,2220 v1(3245,2220) 3285.47,2179.53 3285.47,2135.61 3311.56,2109.53 3348.44,2109.53 3374.53,2083.44 3374.53,2048.76 3402.81,2020.47 3555.47,2020.47 3577.72,2042.72 3670.47,2042.72 3679.25,2033.93 3679.25,2015.86 3685.11,2010 R52.1@3711.5,2010 ; v1(4182.5,3477.5) 4230.93,3477.5 4578.43,3825 U1.96@4770,3825
  Bottom Layer w10: v1(3245,2220) 3252.65,2227.65 3268.98,2227.65 3270.86,2229.53 3737.18,2229.53 3743.04,2235.39 3743.04,2668.04 4090,3015 4090,3385 v1(4182.5,3477.5)
02.7: R26.2 R53.2 U1.97 | length 3133.4
  Top Layer w10: R26.2@3126.5,2150 v1(3245,2150) ; R53.2@3711.5,2080 3711.5,2081.97 3731.87,2102.35 3752.35,2102.35 3765,2115 v1(3765,2160) ; v1(4287.5,3477.5) 4342.5,3477.5 4645,3780 4777.97,3780 4824.53,3733.44 4824.53,3707.5 4862.5,3669.53 4862.5,3632.5 U1.97@4870,3625 U1.97@4856.73,3625
  Bottom Layer w10: v1(3245,2150) 3280,2185 3287.03,2185 3311.56,2209.53 3765,2209.53 ; v1(3765,2160) 3765,2209.53 ; v1(4287.5,3477.5) 4165,3355 4165,2990 3845.47,2670.47 3845.47,2567.5 3765,2487.03 3765,2209.53
02.8: P13.4 U1.98 | length 664
  Top Layer w10: P13.4@4355,3950 4355,3858.43 4439.29,3774.14 4468.52,3774.14 4515.95,3821.57 v1(4518.43,3821.57)
  Bottom Layer w10: v1(4518.43,3821.57) 4523.43,3816.57 4523.43,3780 4678.43,3625 U1.98@4770,3625
10.1: P12.3 R50.1 U1.85 | length 2750.5
  Top Layer w10: R50.1@3710,2150 3720.75,2160.75 3720.75,2172.32 3748.43,2200 3781.57,2200 3805.47,2176.1 3805.47,2146.56 3831.56,2120.47 3868.44,2120.47 3905.47,2157.5 3942.5,2157.5 P12.3@3950,2165 ; v1(4503.28,3476.72) 4551.72,3476.72 4650,3575 v1(4685,3575)
  Bottom Layer w10: P12.3@3950,2165 3950,2178.27 3965,2193.27 3965,2485 4045,2565 4045,2685 4305,2945 4305,3285 4496.72,3476.72 v1(4503.28,3476.72) ; v1(4685,3575) 5120,3575 U1.85@5270,3725
10.2: P9.4 U1.86 | length 2391.7
  Bottom Layer w10: U1.86@5270,3825 5267.5,3827.5 5267.5,4282.5 v1(5265,4285) 5272.65,4292.65 5288.51,4292.65 5290.86,4295 6500,4295 6785.47,4009.53 6785.47,3896.56 6811.56,3870.47 6848.44,3870.47 6867.97,3890 6892.03,3890 6917.03,3915 P9.4@6930,3915
10.3: P12.4 R51.2 U1.87 | length 3048
  Top Layer w10: R51.2@3710,2225 3715,2220 3957.97,2220 3994.53,2183.44 3994.53,2146.56 3968.44,2120.47 3914.53,2120.47 3908.67,2114.61 3908.67,2106.33 P12.4@3950,2065 ; v1(4402.5,3477.5) 4447.5,3477.5 4645,3675 v1(4685,3675)
  Bottom Layer w10: P12.4@3950,2065 3950,2075 3890.63,2134.37 3890.63,2142.66 3894.53,2146.56 3894.53,2183.44 3865,2212.97 3865,2485 3945.47,2565.47 3945.47,2680.47 4235,2970 4235,3310 v1(4402.5,3477.5) ; v1(4685,3675) 5120,3675 U1.87@5170,3725
10.5: P9.1 U1.88 | length 2282.5
  Bottom Layer w10: U1.88@5170,3825 5172.5,3827.5 5172.5,4317.5 5180,4325 6520,4325 P9.1@6830,4015
  other v1: 5175,4320
10.6: P9.3 U1.89 | length 2763.3
  Bottom Layer w10: U1.89@5070,3725 5070,3774.61 5075.86,3780.47 5088.44,3780.47 5114.53,3806.56 5114.53,3843.44 5088.44,3869.53 5075.86,3869.53 5070,3875.39 v1(5070,4360) 6547.97,4360 6874.53,4033.44 6874.53,3959.53 P9.3@6830,3915
11.2: R44.2 U1.78 | length 1933.9
  Top Layer w10: v1(6507.74,2741.94) 6507.74,2731.12 6525.47,2713.38 6525.47,2706.56 6551.95,2680.08 6577.9,2680.08 6624.85,2633.12 6624.85,2607.18 6661.25,2570.78 6687.19,2570.78 6722.97,2535 R44.2@6783.5,2535
  Bottom Layer w10: U1.78@5670,3825 5625.47,3780.47 5625.47,3706.56 5651.56,3680.47 5787.96,3680.47 6505,2963.43 6505,2744.68 v1(6507.74,2741.94)
11.3: R45.2 U1.79 | length 1959.8
  Top Layer w10: v1@6460,2685 v1(6467.74,2685) 6475.47,2685 6525.47,2635 6525.47,2606.56 6561.07,2570.96 6587.01,2570.96 6622.6,2535.37 6622.6,2509.43 6656.76,2475.27 6682.7,2475.27 6724.93,2433.04 6724.93,2389.4 6761.42,2352.91 6777.65,2352.91 6783.5,2347.06 R45.2@6783.5,2320
  Bottom Layer w10: U1.79@5570,3725 6467.74,2827.26 v1(6467.74,2685)
11.6: P9.8 U1.80 | length 1733.2
  Top Layer w10: v1(5560,3565) 5567.65,3557.35 5583.51,3557.35 5585.86,3555 6226.57,3555 6241.1,3569.53 6784.53,3569.53 P9.8@6930,3715
  Bottom Layer w10: v1(5560,3565) 5525.47,3599.53 5525.47,3780.47 U1.80@5570,3825
11.9: P3.1 U1.81 | length 862
  Top Layer w10: P3.1@4820,3985 4938.38,3866.62 ccw(c4945.43,3873.71) 4940.86,3864.81 4940.92,3864.79 ccw(c4945.46,3873.69) 4949.91,3864.74 ; 4949.95,3864.76 cw(c4970,3825) 4999.69,3858.19 ccw(c5006.31,3865.68) 5006.27,3855.68 5033.73,3855.68 ccw(c5033.69,3865.68) 5040.32,3858.2 cw(c5070,3825) 5099.69,3858.19 ccw(c5106.31,3865.68) 5106.27,3855.68 5133.73,3855.68 ccw(c5133.69,3865.68) 5140.32,3858.2 cw(c5170,3825) 5199.69,3858.19 ccw(c5206.31,3865.68) 5206.27,3855.68 5216.68,3855.68 5219.61,3855.68 5225.47,3849.82 5225.47,3795.61 5246.08,3775 5282.97,3775 5316.11,3741.86 5316.11,3705.35 5340.98,3680.47 5425.47,3680.47 U1.81@5470,3725
11.10: P3.3 U1.82 | length 681.3
  Top Layer w10: P3.3@4920,3985 4964.53,4029.53 5260.47,4029.53 5275.47,4014.53 5275.47,3966.56 5301.56,3940.47 5354.53,3940.47 U1.82@5470,3825
11.11: P3.5 U1.83 | length 494.6
  Top Layer w10: P3.5@5020,3985 5027.5,3977.5 5064.53,3977.5 5102.03,3940 5165,3940 5235.47,3869.53 5288.44,3869.53 5320,3837.97 5320,3775 U1.83@5370,3725
11.12: P3.7 U1.84 | length 323.6
  Top Layer w10: P3.7@5120,3985 5169.61,3985 5175.47,3979.14 5175.47,3966.56 5201.56,3940.47 5244.96,3940.47 5295.91,3889.53 5296.73,3889.53 5361.26,3825 U1.84@5370,3825
13.0: P3.9 U1.74 | length 1025.1
  Top Layer w10: P3.9@5220,3985 5228.72,3985 5300.58,3913.14 5300.64,3913.14 5300.91,3912.87 5348.78,3871.93 5351.59,3869.53 5355.28,3869.53 5388.44,3869.53 5414.53,3843.44 5414.53,3790.47 5430,3775 5482.97,3775 5514.53,3743.44 5514.53,3706.56 5502.54,3694.57 5502.54,3694.28 5498.01,3689.76 5497.73,3689.76 5497.73,3685.63 5497.73,3660.86 5503.59,3655 5813.76,3655 5819.61,3660.86 5819.61,3774.61 U1.74@5870,3825
13.1: P3.11 U1.75 | length 834.2
  Top Layer w10: P3.11@5320,3985 5327.5,3977.5 5364.53,3977.5 5462.37,3879.66 5678.31,3879.66 5714.53,3843.44 5714.53,3775.39 5708.67,3769.53 5651.56,3769.53 5625.47,3743.44 5625.47,3706.56 5651.56,3680.47 5725.47,3680.47 U1.75@5770,3725
13.2: P3.13 U1.76 | length 416.3
  Top Layer w10: P3.13@5420,3985 5498.87,3906.13 5688.87,3906.13 U1.76@5770,3825
13.3: P3.15 U1.77 | length 568.4
  Top Layer w10: P3.15@5520,3985 5578.87,3926.13 5697.15,3926.13 5753.76,3869.53 5788.44,3869.53 5814.53,3843.44 5814.53,3806.56 5788.44,3780.47 5762.5,3780.47 5714.53,3732.5 5677.5,3732.5 U1.77@5670,3725
15.0: P3.12 U1.58 | length 1509.8
  Top Layer w10: P3.12@5320,4085 5327.5,4092.5 5364.53,4092.5 5401.56,4129.53 6313.44,4129.53 6345,4097.97 6345,4072.03 6377.03,4040 6455,4040 U1.58@6670,3825
15.1: P3.10 U1.59 | length 1613.1
  Top Layer w10: P3.10@5220,4085 5227.5,4077.5 5264.53,4077.5 5312.5,4029.53 5602.65,4029.53 5685.69,3946.49 6148.51,3946.49 6225,3870 6225,3807.03 6251.56,3780.47 6319.14,3780.47 6325,3774.61 6325,3739.05 6324.71,3738.76 6324.71,3707.32 6351.96,3680.07 6384.29,3680.07 6384.7,3680.47 6525.47,3680.47 U1.59@6570,3725
15.2: P3.14 U1.60 | length 1870.5
  Top Layer w10: v1(6500.78,3909.22) 6500.78,3901.72 6570,3832.5 U1.60@6570,3825
  Bottom Layer w10: P3.14@5420,4085 5420,4269.14 5425.86,4275 6461.57,4275 6660,4076.57 6660,4043.43 6597.11,3980.54 6570.54,3980.54 6500.78,3910.78 v1(6500.78,3909.22)
15.3: P3.6 U1.61 | length 2369.6
  Top Layer w10: P3.6@5020,4085 5104.53,4169.53 6401.73,4169.53 6681.73,3889.53 6696.73,3889.53 6734.53,3851.73 6734.53,3798.27 6714.53,3778.27 6714.53,3706.56 6688.44,3680.47 6648.6,3680.47 6620,3709.07 6620,3737.97 6588.44,3769.53 6551.56,3769.53 6525.47,3743.44 6525.47,3730.86 6519.61,3725 U1.61@6470,3725
15.4: P3.16 U1.62 | length 1057.7
  Top Layer w10: P3.16@5520,4085 5575.46,4085 5693.97,3966.49 6328.51,3966.49 U1.62@6470,3825
15.5: P3.8 U1.63 | length 2482.3
  Top Layer w10: P3.8@5120,4085 5127.5,4092.5 5164.53,4092.5 5221.56,4149.53 6393.44,4149.53 6673.44,3869.53 6688.44,3869.53 6714.53,3843.44 6714.53,3806.56 6688.44,3780.47 6651.56,3780.47 6625.47,3806.56 6625.47,3841.24 6517.5,3949.22 6484.22,3949.22 6456.64,3921.64 6456.64,3896.79 6484.22,3869.22 6500.78,3869.22 6514.53,3855.47 6514.53,3806.56 6488.44,3780.47 6425.47,3780.47 U1.63@6370,3725
15.6: P16.4 U1.64 | length 5513.7
  Top Layer w10: P16.4@4570,2080 4570,2137.44 4575.86,2143.3 4808.67,2143.3 4814.53,2137.44 4814.53,2040.86 4820.39,2035 5034.14,2035 5040,2029.14 v1(5040,1950) ; v1(5930,1955) 6009.53,1875.47 6993.76,1875.47 7090,1971.72 7090,3785 v1(7025,3850)
  Bottom Layer w10: v1(5040,1950) 5925,1950 v1(5930,1955) ; U1.64@6370,3825 6414.53,3869.53 6483.9,3869.53 6484.22,3869.22 6551.24,3869.22 6551.56,3869.53 6688.44,3869.53 6787.5,3770.47 6848.44,3770.47 6880,3802.03 6880,3827.97 6911.56,3859.53 6967.61,3859.53 6972.61,3854.53 7020.47,3854.53 v1(7025,3850)
15.7: P16.3 U1.65 | length 5477.3
  Top Layer w10: P16.3@4670,2080 4725,2025 4725,1870.86 4730.86,1865 4979.14,1865 4985,1870.86 v1(4985,1995) ; v1(5995,2000) 6048.74,2000 6153.27,1895.47 6985.47,1895.47 7070,1980 7070,3736.97 v1(7031.62,3775.35)
  Bottom Layer w10: v1(4985,1995) 5990,1995 v1(5995,2000) ; U1.65@6270,3725 6314.53,3769.53 6688.44,3769.53 6787.5,3670.47 6848.44,3670.47 6880.77,3702.8 6880.77,3728.74 6920.76,3768.73 7025,3768.73 v1(7031.62,3775.35)
15.8: P10.6 U1.66 | length 3669.4
  Top Layer w10: v1(6620,4060) 6620,4139.14 6625.86,4145 6875,4145 v1(6880,4140)
  Bottom Layer w10: U1.66@6270,3825 6270,3838.27 6283.99,3852.26 6283.99,3853.99 6490,4060 v1(6620,4060) ; P10.6@6360,1980 6360,1974.6 6429.13,1905.47 6707.04,1905.47 7071.62,2270.05 7071.62,3988.75 6925,4135.37 6884.63,4135.37 v1(6880,4140)
20.0: P14.3 U1.44 | length 3721.8
  Top Layer w10: v1(6678.05,1975.47) 6681,1972.52 6887.29,1972.52 v1(6890.25,1969.57)
  Bottom Layer w10: P14.3@4353.03,2165 4400,2118.03 4400,1905 4459.53,1845.47 6766.15,1845.47 v1(6890.25,1969.57) ; U1.44@6570,2525 6577.5,2517.5 6614.53,2517.5 6652.5,2479.53 6678.44,2479.53 6714.53,2443.44 6714.53,2206.56 6678.05,2170.07 v1(6678.05,1975.47)
20.3: P14.4 U1.46 | length 3807.7
  Top Layer w10: v1(6746.29,2043.71) 6753.94,2036.06 6785.23,2036.06 6791.29,2030 6944.14,2030 6950,2024.14 v1(6950,1975)
  Bottom Layer w10: P14.4@4353.03,2065 4353.03,1923.68 4451.24,1825.47 6825.47,1825.47 6944.22,1944.22 6944.22,1969.22 v1(6950,1975) ; U1.46@6570,2625 6625.47,2569.53 6688.44,2569.53 6746.29,2511.68 v1(6746.29,2043.71)